# KiCad board FrontEnd_5G.kicad_pcb (continued)
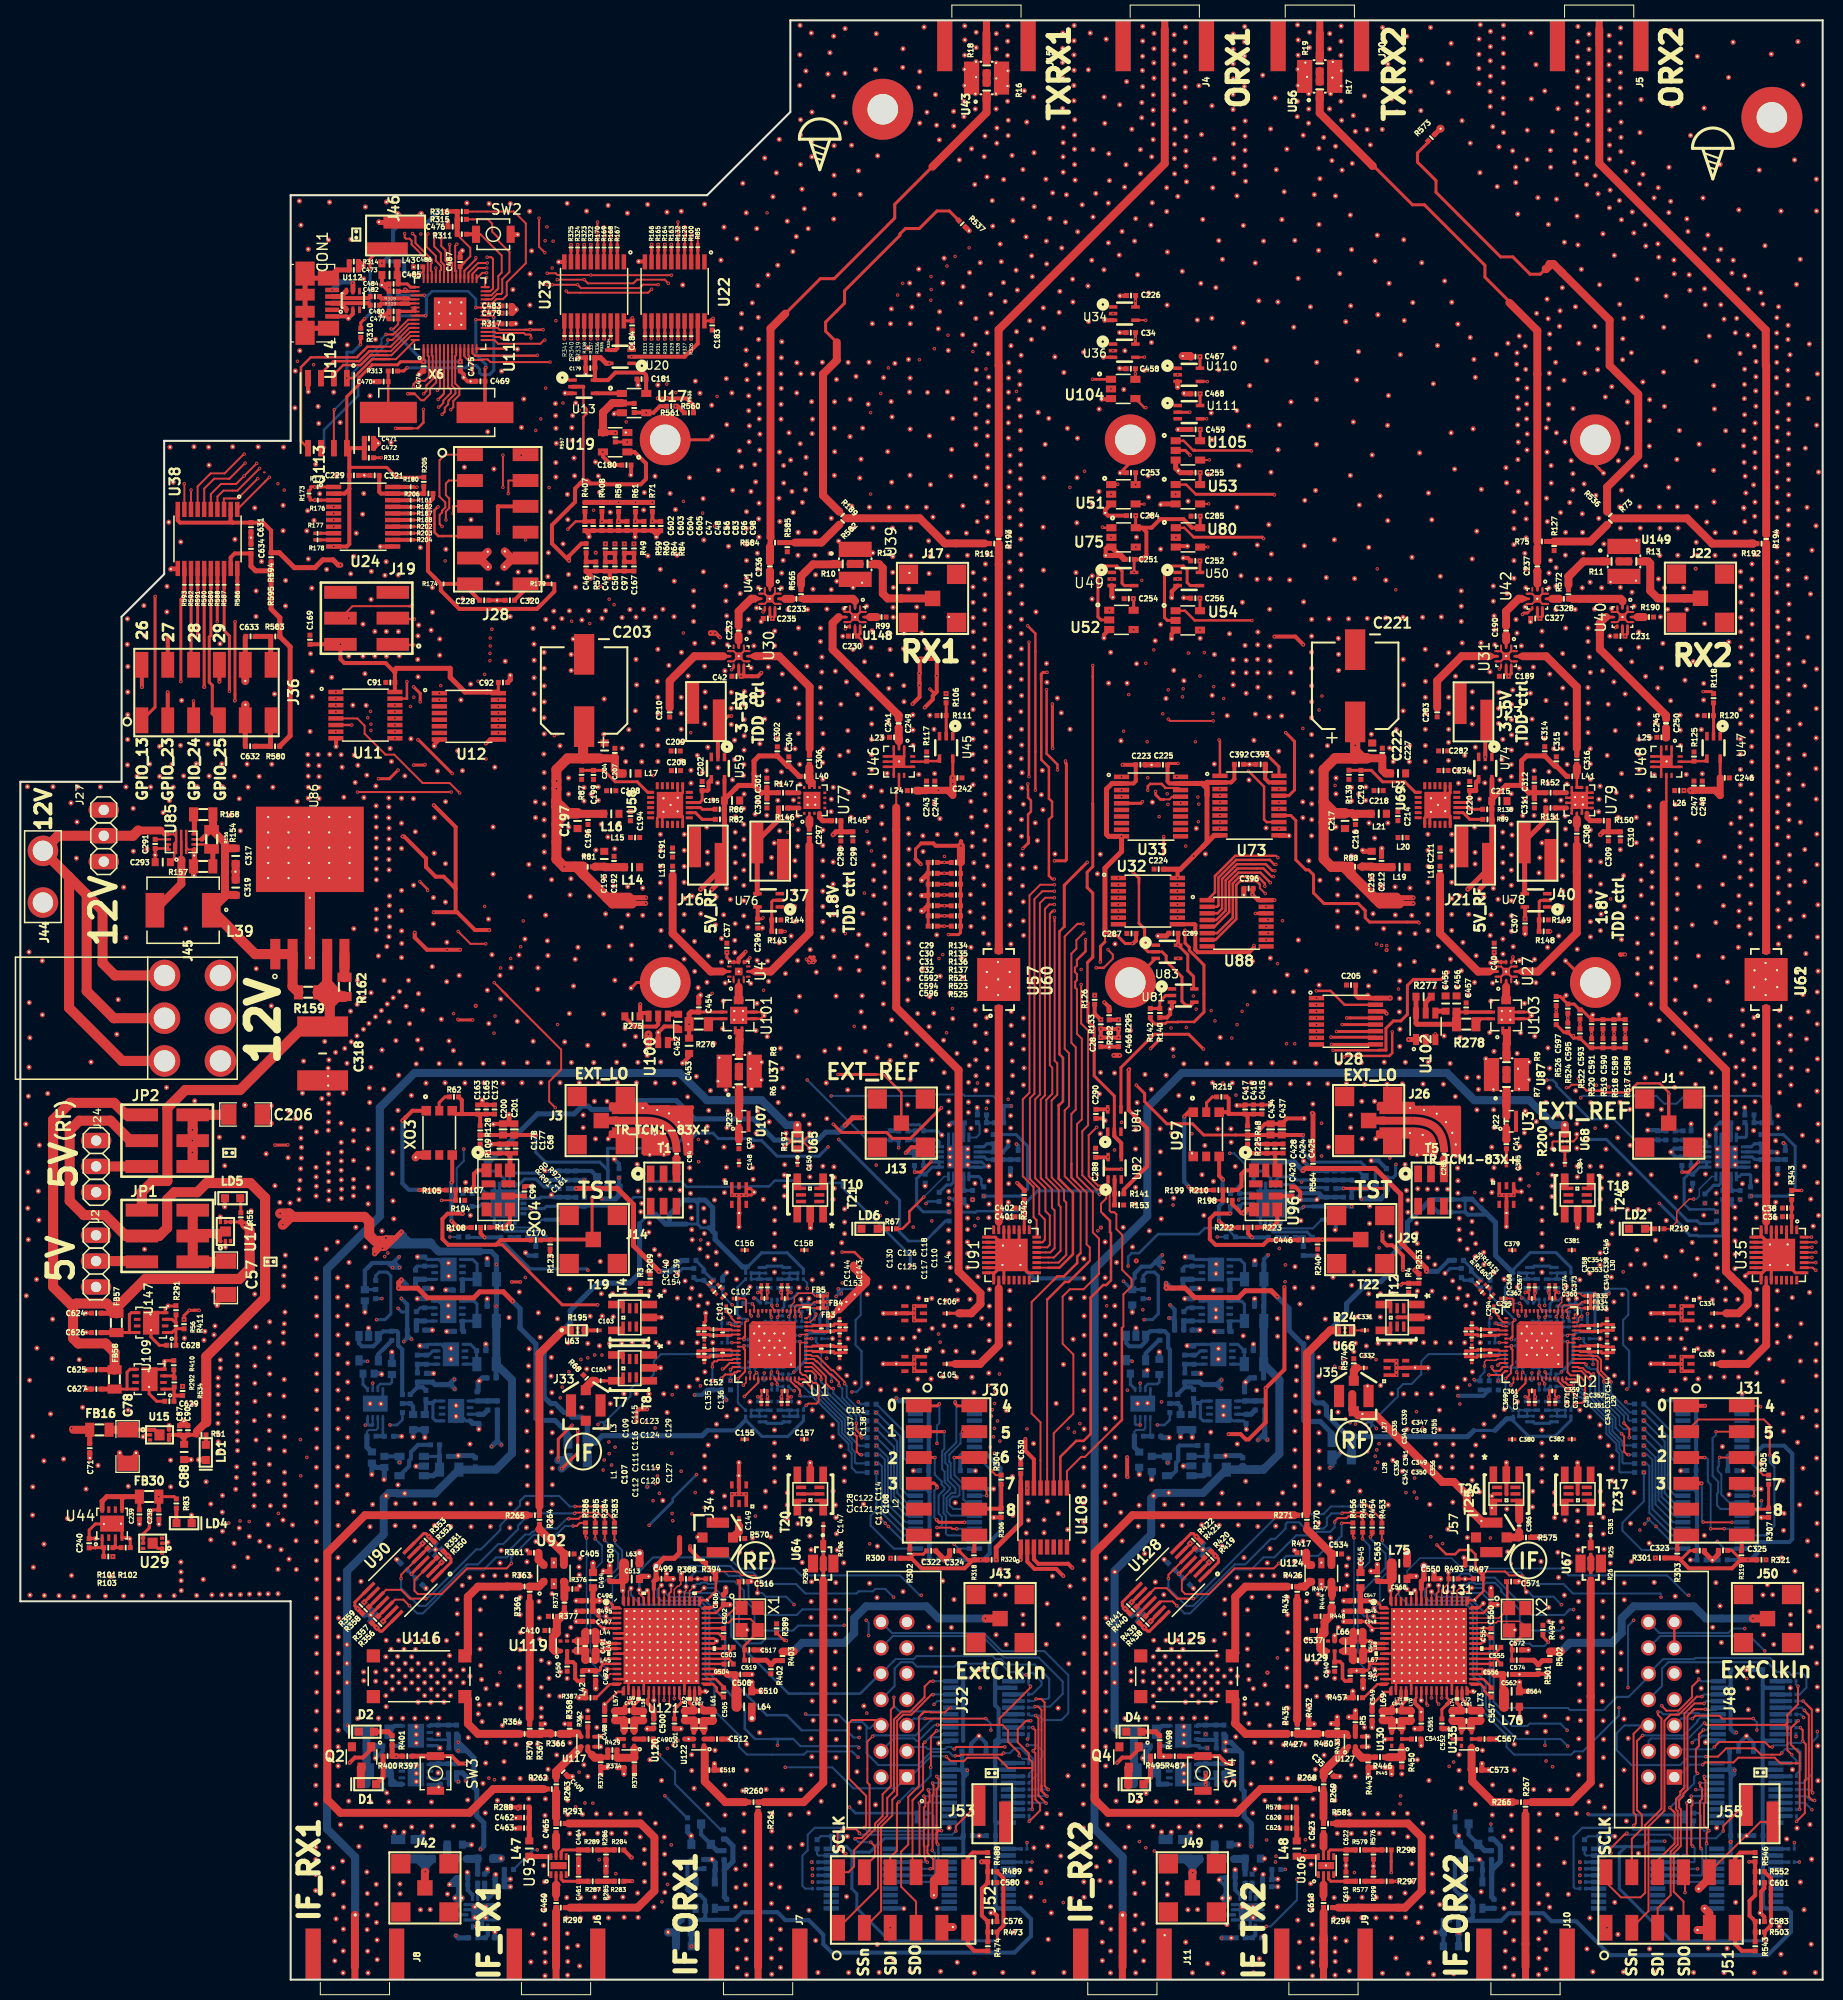
[diagram p0: board, top side]
## Routing (per net, layer and track width the routed paths; a pad name or vN(x,y) marks a point on that pad's centre or on a via; arc(x,y) is an arc through that point) (continued)
  F.RO w1: 28.37,111.27 U86.3 U86.3
  F.FR4 w0.2: 101.83,56.64 102.42,56.04 104.57,56.04
  F.FR4 w0.4: v2(116.67,22.77) 116.52,22.92 v2(116.52,24.13) ; v2(116.52,20.32) v2(116.52,19.17)
  B2.RO w0.2: 69.01,69.07 69.43,69.49 ; 78.77,63 79.83,63 79.83,63 ; 169.22,48.22 U71.11 ; 123.02,9.84 C566.1 ; 73.86,57.95 C27.2 73.87,58.46 73.87,58.55 ; 74.4,66.8 C23.2 74.41,66.28 74.39,66.26 ; 149.31,58.56 v2(149.31,58.56) 149.31,58.56 C281.2 ; 73.87,58.53 73.88,58.54 ; 73.87,58.53 73.88,58.54 ; 73.87,58.53 73.87,58.55 ; 73.87,58.53 73.88,58.54 ; 73.87,58.55 v2(73.87,58.54) ; v2(149.85,66.27) 149.86,66.28 C277.2 ; C281.2 149.31,57.98 ; C281.2 149.29,57.99 ; 154.22,63.01 155.29,63.01 ; 77.84,55.97 77.84,56.22
  B2.RO w0.25: 76.81,66.19 76.81,66.77 76.72,66.86 ; 152.18,66.87 152.27,66.78 C265.2 ; 152.98,66.96 152.87,66.85 C95.2 ; U144.PAD 111.08,57.37 U144.4 ; U141.9 117.77,61.61 116.94,62.45 U141.4 ; U142.9 117.53,69.96 116.71,70.78 U142.4 ; U140.9 117.51,65.92 116.75,66.69 U140.4 ; U143.9 118.27,55.87 119.22,54.93 U143.4 ; 77.52,66.94 77.42,66.84 C2.2 ; C265.2 152.47,66.41 C95.2 ; C265.2 C262.2 C258.2 ; U10.PAD 35.64,57.37 U10.4 ; R496.2 121.91,11.89 122.3,11.89 ; 125.82,76.65 125.86,76.69 125.86,77.3 ; v2(120.22,75.34) 120.27,75.29 U99.1 ; C10.2 C5.2 C3.2 C14.2 C13.2 C18.2 C20.2 ; C95.2 C93.2 ; C1.2 C2.2 ; C2.2 77.02,66.4 C11.2 C8.2 C4.2 ; C280.2 C278.2 ; U18.10 95.1,79.86 95.19,79.95 94.93,79.95 94.52,80.36 U18.9 ; C279.2 C276.2 C273.2 C270.2 ; C17.2 C15.2 ; C26.2 C24.2 ; C269.2 C271.2 ; C25.2 C22.2 C19.2 C16.2 ; C263.2 C261.2 ; C264.2 C259.2 C257.2 C267.2 C268.2 C272.2 C274.2 ; C9.2 C7.2
  B2.RO w0.3: 66.2,69.9 65.08,69.9 64.6,69.42 ; 140.06,69.43 140.54,69.91 C305.2 ; 132.14,78.92 131.57,79.49 C442.2 C441.2 C439.2 ; C582.1 118.42,8.25 118.52,8.35 ; 118.42,7.57 118.86,8.01 ; 120.13,6.1 119.9,5.87 IC2.13 ; 121.18,6.1 121.41,5.87 IC2.8 ; 121.18,6.1 121.45,6.37 IC2.7 ; 121.18,6.1 120.9,5.82 IC2.10 ; U142.4 115.43,70.78 R259.2 ; R242.2 115.51,62.45 U141.4 ; R567.2 120.24,54.93 U143.4 ; R442.2 109.88,35.86 ; 109.88,35.86 109.88,35.27 C538.1 ; 109.88,35.86 109.88,35.86 R437.2 ; 109.88,35.86 109.83,35.82 C539.1 ; 114.37,23.27 114.65,23 U26.4 115.92,22.77 v2(116.67,22.77) ; 114.37,19.47 114.65,19.2 U89.4 ; 40.8,42.27 40.8,41.69 R349.2 ; 40.8,42.27 40.83,42.3 C399.1 ; 40.8,42.27 40.82,42.29 C400.1 ; 40.8,42.27 40.78,42.25 R354.2 ; U134.11 91.31,23.33 90.25,23.33 ; 44.67,6.1 44.44,5.87 IC1.13 ; IC1.10 45.45,6.37 IC1.7 ; IC1.10 45.45,6.87 IC1.6 ; IC1.10 45.95,7.37 IC1.5 ; IC1.10 44.95,6.87 IC1.15 ; 44.68,7.15 44.46,7.37 IC1.16 ; 42.98,7.58 43.42,8.02 ; 43.08,8.36 42.98,8.26 C524.1 ; R70.1 87.89,81.68 C73.1 ; R44.2 41.01,23 U94.4 ; U6.4 41.09,66.69 U6.9 ; U5.9 41.11,70.79 U5.4 39.99,70.79 R34.2 ; U7.9 41.35,62.45 U7.4 40.07,62.45 R32.2 ; 39.29,62.29 39.27,62.31 ; U8.9 43.81,54.92 U8.4 ; C142.2 75.62,54.83 C132.2 74.87,54.68 73.41,54.68 C141.2 C131.2 ; C363.2 148.11,70 148.7,70 148.84,70.14 150.31,70.14 150.45,70 151.05,70 ; 97.33,79.05 97.31,79.03 ; R227.1 172.76,79.7 172.76,79.14 ; U18.21 92.75,80.36 U18.9 ; U18.21 93.25,79.86 U18.10 ; U18.21 92.24,80.87 U18.3 ; U98.21 168.69,79.86 U98.10 ; U98.21 168.19,80.36 U98.9 ; U98.21 167.68,80.87 U98.3 ; 90.58,83.01 90.16,83.43 C72.2 88.79,83.6 88.37,84.02 86.82,84.02 86.34,83.54 R65.2 ; C272.2 149.27,63.82 149.58,63.51 ; C423.2 164.39,77.77 164.18,77.56 ; U21.21 47.11,75.79 U21.2 ; U21.21 46.61,75.29 ; U21.21 46.61,75.29 ; U21.21 48.11,76.79 U21.12 51.06,76.79 51.18,76.91 C166.1 ; U21.21 48.61,77.29 U21.11 ; U21.21 47.11,76.79 U21.7 ; U21.21 46.61,77.29 U21.6 ; 46.61,75.29 U21.1 ; 46.61,75.29 U21.20 ; U99.21 122.41,75.79 U99.2 ; U99.21 121.91,75.29 ; U99.21 121.91,75.29 ; U99.21 123.41,76.79 U99.12 ; U99.21 123.91,77.29 U99.11 ; U99.21 122.41,76.79 U99.7 ; U99.21 121.91,77.29 U99.6 ; 121.91,75.29 U99.20 ; 121.91,75.29 U99.1 ; 125.86,77.3 125.36,76.79 U99.12 ; 125.82,76.65 125.68,76.79 U99.12 ; 88.94,78.01 88.95,78.02 C74.1 ; 41.12,18.91 41.11,18.9 40.55,18.9 U95.4 41.26,19.2 ; IC1.8 45.96,5.87 45.73,6.1 45.45,5.82 IC1.10 ; U18.1 91.24,81.85 91.45,81.64 91.74,81.93 U18.2 ; IC2.5 121.41,7.37 121.18,7.14 121.45,6.87 IC2.6 ; C146.2 C134.2 74.87,70.13 73.39,70.13 C145.2 C133.2 ; IC2.16 119.9,7.37 120.13,7.14 119.86,6.87 IC2.15 ; C364.2 C376.2 148.87,54.68 150.31,54.68 C365.2 C377.2 ; C431.2 167.01,84.21 166.68,83.88 166.68,82.79 U98.1 166.68,81.85 166.89,81.64 167.18,81.93 U98.2
  B2.RO w0.4: 69.01,68.74 69.01,69.07 69.43,69.49 ; 144.89,69.5 144.47,69.08 R172.2 ; C443.2 128.08,76.91 127.69,77.3 125.86,77.3 ; C443.2 C444.2 C445.2 ; C443.2 127.68,76.91 127.42,76.65 125.82,76.65 ; C530.1 139.83,4.71 139.83,5.88 C533.1 139.89,5.29 C530.1 ; C530.1 139.1,4.65 ; C530.1 C528.1 ; R431.2 143.42,11.8 143.72,11.5 U126.5 ; 112.18,14.52 112.18,14.17 R458.2 113.14,14.33 113.14,14.5 ; 115.06,14.48 115.06,14.32 R472.2 ; 123.61,9.14 C570.1 ; 123.61,9.88 123.06,9.88 ; Q3.2 141.39,13.33 141.39,14.13 141.03,14.49 R451.2 ; C390.2 166.86,41.23 166.33,41.23 166.3,41.26 C330.2 ; 169.23,56.91 169.25,56.93 169.25,57.63 ; U89.4 116.65,19.2 116.67,19.17 v2(116.52,19.17) ; 160.94,7 162.27,7 162.3,6.98 ; 156.71,14.11 156.74,14.09 156.72,14.09 C600.2 ; 165.53,7.02 165.56,7 166.75,7 U138.11 ; C586.2 170.4,14.15 169.03,14.15 C599.2 ; C587.2 169.03,30.47 C584.2 ; 120.52,54.09 120.49,54.12 R567.2 ; C608.2 114.11,53.99 ; 115.2,53.97 C611.2 ; U71.11 169.24,48.22 171.12,48.22 ; 163.22,50.02 163.24,50.04 C387.2 ; C391.2 168.75,50.02 169.33,50.02 ; C585.2 170.38,23.25 169.68,23.95 168.9,23.17 C598.2 168.92,22.47 ; C188.2 110.97,18.93 110.65,18.61 110.37,18.89 C186.2 ; C527.1 112.82,40.92 112.44,41.3 ; 116.23,42.27 116.23,42.86 C532.1 ; 116.23,42.27 116.21,42.25 ; 116.23,42.27 116.25,42.29 C531.1 ; 116.21,42.25 R423.2 ; 116.21,42.25 R418.2 ; v2(116.52,24.13) C395.2 ; 34.44,35.85 34.4,35.81 C403.1 ; 34.44,35.85 34.44,35.85 R360.2 ; 34.44,35.85 34.41,35.82 C404.1 ; 34.44,35.85 35.01,35.85 R355.2 ; C526.2 93.6,14.14 94.95,14.14 C525.2 ; C388.2 91.42,41.23 90.89,41.23 90.86,41.26 C326.2 ; 93.89,50.01 93.87,50.03 C389.2 ; 87.78,50.02 87.8,50.04 C329.2 ; U25.11 93.81,48.23 95.67,48.23 ; 39.07,13.77 39.62,14.32 39.62,14.48 ; 37.7,14.5 37.7,14.33 R390.2 36.74,14.17 36.74,14.52 ; 41.26,19.2 R28.2 41.09,19.17 ; 39.65,50.49 39.66,50.48 ; 37.48,53.4 37.47,53.41 R41.2 ; 86.85,6.98 86.82,7 U133.10 ; 90.11,6.99 90.12,7 U123.11 ; C578.2 81.27,14.1 81.29,14.08 ; U132.11 91.33,14.94 91.31,14.92 ; U137.11 166.78,14.95 166.75,14.92 ; C43.2 34.9,22.94 34.9,21.77 34.93,21.77 35.63,22.47 C45.2 ; R217.2 161.76,83.44 C418.2 160.9,83.5 ; R65.2 86.32,83.44 C69.2 ; 94.06,85.73 94.08,85.71 R79.2 ; 169.5,85.73 169.52,85.71 R232.2 ; 172.71,81.28 172.64,81.35 C426.1 ; 35.51,163.54 35.46,163.59 35.51,163.54 ; 35.51,163.54 36.25,163.54 ; 35.51,163.54 36.25,163.54 ; 36.25,163.54 36.25,166.31 ; C581.2 94.24,30.45 94.26,30.47 C579.2 ; C160.2 56.14,79.49 C174.1 54.57,79.48 C175.2 53.75,79.49 C176.2 51.62,79.49 51.59,79.52 ; v2(120.22,75.34) 120.22,75.34 ; 98.31,70.25 99.63,68.93 104.54,68.93 ; v2(87.04,81.26) 87.89,81.26 87.89,81.25 ; R221.1 162.59,81.69 162.25,81.35 162.74,80.86 C422.2 ; 164.24,84.12 164.24,83.44 C421.2 ; 160.9,83.5 160.02,83.5 ; 160.9,83.5 159.97,83.5 ; 126.14,80.45 127.1,79.49 C439.2 ; C432.2 133.5,80.5 133.52,80.5 ; R234.2 129.31,73.75 129.25,73.69 ; C159.1 58.85,80.18 58.38,80.65 ; R113.2 49.94,71.17 49.66,71.45 ; 35.56,19.19 C412.2 35.53,18.85 36.02,18.36 ; 168.2,76.2 168.31,76.09 ; 168.2,76.2 168.46,75.94 168.54,75.94 ; 168.2,76.2 C429.2 ; C76.2 92.75,76.35 93.11,75.99 ; C75.2 97.11,81.91 97.11,82.39 ; 91.51,84.21 91.3,84 91.51,84.21 ; 91.51,84.21 C80.2 ; 133.52,80.5 133.52,80.49 133.51,80.5 132.79,80.5 ; 133.52,80.5 132.98,80.5 ; C529.1 115.31,38.46 ; C577.2 93.46,23.18 94.23,23.95 94.93,23.25 C575.2 ; C164.2 C168.2 53.79,76.91 C166.1 52.42,76.91 52.2,77.13 ; R459.1 123.02,9.84 ; R233.2 127.52,71.17 ; 35.75,49.15 35.78,49.18 ; 110.37,22.71 C185.2 C187.2 111.07,22.69 110.73,22.35 110.37,22.71 ; 118.05,10.02 C565.2 C569.2 118.35,9.32 117.85,9.82 118.05,10.02 ; 122.16,4.24 R500.1 122.19,4.24 122.16,4.24
  B2.RO w0.5: 118.42,7.57 118.86,8.01 ; 118.86,8.01 118.6,7.75 118.42,7.75 ; 118.86,8.01 118.52,8.35 ; 118.42,7.75 C582.1 ; 118.42,7.75 118.16,8.01 118.52,8.37 ; 118.52,8.35 118.42,8.25 ; 118.52,8.35 C569.2 ; C615.2 120.34,58.62 120.87,59.15 C447.2 ; C451.2 121.21,61.84 121.21,62.46 ; C535.2 115.37,59.58 116.05,59.58 ; R242.2 115.33,62.31 114.69,62.31 ; C612.2 118.4,51.43 118.48,51.51 119.95,51.51 C609.2 ; C610.1 109.99,49.66 110,49.65 ; C614.2 111.22,49.17 111.2,49.15 ; 109.31,65.6 109.3,65.61 C617.2 ; C448.2 121.33,66.2 121.33,66.93 ; 121.33,70.31 C449.2 121.35,70.31 121.35,70.67 ; C606.2 115.2,63.85 115.95,63.85 ; 112.13,53.4 R558.2 112.13,53.4 ; 112.13,53.4 112.26,53.27 112.92,53.27 ; R246.2 115.18,66.93 114.46,66.93 ; R431.2 142.64,12.14 141.47,13.31 Q3.2 ; R492.2 118.93,13.26 119.79,13.26 ; 110.73,22.35 110.72,22.34 110.72,22.21 ; 110.72,22.21 110.34,21.83 110.34,21.77 ; 110.72,22.21 110.72,21.56 ; 110.72,21.56 110.51,21.77 110.34,21.77 ; 110.72,21.56 110.55,21.56 110.34,21.77 ; 110.66,18.33 110.64,18.35 110.64,18.62 ; 39.88,38.46 39.86,38.46 C397.1 ; 37,41.3 37.01,41.3 C398.1 ; Q1.2 65.95,13.32 65.95,14.14 65.59,14.5 R381.2 ; U136.11 165.81,23.48 165.66,23.33 ; 43.08,9.33 43.08,8.36 ; 43.08,8.36 42.98,8.26 ; 43.08,8.36 43.42,8.02 ; 42.98,7.76 42.72,8.02 43.08,8.38 ; 42.98,7.76 C524.1 ; 42.98,7.76 43.16,7.76 43.42,8.02 ; 43.42,8.02 42.98,7.58 ; C521.1 47.58,9.84 R391.1 ; C521.1 48.13,9.83 48.18,9.88 ; C521.1 C523.1 48.17,9.14 48.18,9.13 ; 45.92,10.87 45.92,10.66 C515.1 ; C408.1 64.45,5.29 C407.1 ; U118.5 68.27,10.73 C411.1 68.31,11.49 67.98,11.82 67.97,11.81 R375.2 ; 41.91,63.71 41.92,63.72 C55.2 ; C54.2 42.53,67.79 41.82,67.79 ; C52.2 45.89,66.2 45.89,66.92 ; 45.89,70.89 45.9,70.88 C51.2 ; 45.75,62.47 45.76,62.46 C58.2 ; 45.07,54.1 45.07,54.65 R30.2 44.46,54.67 U8.4 ; 39.04,71.05 39.06,71.03 R34.2 ; C62.2 39.74,67.95 40.47,67.95 ; 39.02,66.93 39.03,66.94 R36.2 ; 40.62,59.58 40.61,59.59 C61.2 ; R399.1 46.66,4.18 46.66,4.71 ; C63.2 44.51,51.51 43.05,51.51 42.97,51.43 C65.2 ; C53.2 45.42,59.15 44.99,58.72 44.99,57.87 C60.2 ; 33.87,65.6 33.87,66.71 C86.2 ; R395.2 43.48,13.26 44.35,13.26 ; C81.2 35.45,59.57 35.52,59.5 ; U16.2 39.65,50.46 38.89,50.46 ; 35.78,49.18 C66.2 34.98,50.34 C59.1 34.55,49.65 ; 114.32,50.48 114.33,50.49 U145.2 ; 34.94,19.22 C44.2 C412.2 35.53,19.21 ; 117.99,63.71 117.36,63.71 ; 114.05,53.33 C608.2 ; 39.76,53.29 C77.2 C33.2 38.61,53.34 ; C82.1 36.52,61.69 ; C607.2 115.91,67.94 ; 109.67,64.05 U146.2 ; 34.23,63.29 34.23,64.05 ; C188.2 C186.2 ; 117.27,67.77 C489.2 ; C45.2 C43.2 ; C64.2 40.5,63.84 ; 114.5,71.03 R259.2 ; 115.2,53.3 C611.2 ; 111.96,61.69 C616.1 ; R74.1 97.33,79.05 ; R32.2 39.29,62.29 ; 43.05,9.35 C522.2 C520.2 42.86,10.02 42.19,9.35 43.05,9.35
  B2.RO w0.7: C611.2 C608.2
  B2.RO w0.79: 47.12,11.91 46.47,11.91 R396.2 46.53,11.9 46.54,11.91 47.26,11.91 ; 63.67,4.66 63.69,4.64 C407.1 C406.1
  vias: v2(69.97,77.11) v2(69.97,47.72) v2(70.4,77.12) v2(70.4,47.73) v2(70.89,77.11) v2(70.89,47.72) v2(71.32,77.12) v2(71.32,47.73) v2(74.4,66.27) v2(87.86,66.18) v2(87.86,65.74) v2(87.86,65.26) v2(87.86,64.82) v2(87.87,61.2) v2(87.87,60.76) v2(87.87,60.28) v2(87.87,59.84) v2(135.27,60.81) v2(135.27,60.37) v2(135.27,59.89) v2(135.27,59.45) v2(145.41,77.11) v2(145.84,77.12) v2(146.33,77.11) v2(146.76,77.12) v2(163.3,66.18) v2(163.3,65.74) v2(163.3,65.26) v2(163.3,64.82) v2(163.31,61.2) v2(163.31,60.76) v2(163.31,60.28) v2(163.31,59.84)
VBUS_USB: length 135.8
  F.RO w0.3: v2(32.66,166.76) 32.69,166.73
  F.RO w0.5: 32.69,166.73 U112.5 ; C71.1 6.82,52.69 FB16.1 ; v1(5.04,54.2) 5.19,54.05
  F.RO w0.79: 5.19,54.05 FB16.1
  B.FR4 w0.5: 23.87,116.39 26.49,116.39 27.44,117.34 27.44,148.65 28.63,149.84 28.63,153.36 29.03,153.76 29.43,153.76 30.05,154.38 30.05,156.3 30.65,156.9 v2(30.65,166.08)
  B.FR4 w0.79: v1(5.04,54.2) 4.34,54.91 4.34,93.28 12.41,101.36 20.18,101.36 22.72,103.9 22.72,115.24 23.87,116.39
  B2.RO w0.5: 30.65,166.07 31.45,166.87 32.55,166.87 32.66,166.75
VDD_TXA_#1: length 9.5
  F.RO w0.15: U1.6 71.03,63.01 v2(71.13,62.91)
  F.RO w0.2: 71.23,63.21 71.23,64.59 v2(71.47,64.83)
  F.RO w0.25: 71.23,63.21 71.13,63.11 v2(71.13,62.91)
  B2.RO w0.15: 71.12,62.9 71.55,62.9
  B2.RO w0.2: 71.28,68.84 70.48,68.04 70.48,66.57 ; 70.69,65.18 70.91,64.96 71.26,64.96 71.39,64.83 v2(71.47,64.83) ; 70.69,65.18 70.48,65.39 70.48,66.57 ; 70.69,65.18 70.48,65.39 70.48,66.07 70.48,66.07 70.48,66.57
VDD_TXA_#2: length 7.8
  F.RO w0.15: v2(146.58,62.92) 146.49,63.01 U2.6
  F.RO w0.2: 146.68,63.2 146.68,64.61 v2(146.91,64.84)
  F.RO w0.25: 146.68,63.2 146.58,63.1 v2(146.58,62.92)
  B2.RO w0.15: v2(146.58,62.92) 146.59,62.91 147.01,62.91
  B2.RO w0.2: 146.74,68.86 145.93,68.05 145.93,65.86 146.68,65.11 146.68,65.07 v2(146.91,64.84)
VDD_TXB_#1: length 7.9
  F.RO w0.15: U1.8 71.03,62.21 v2(71.13,62.31)
  F.RO w0.2: 71.13,62.01 71.23,61.91 71.23,59.76 70.55,59.08 v2(70.55,59.07)
  F.RO w0.25: v2(71.13,62.31) 71.13,62.01
  B2.RO w0.15: 71.12,62.3 71.55,62.3
  B2.RO w0.2: 70.54,59.06 70.54,56.7 71.28,55.96
VDD_TXB_#2: length 7.9
  F.RO w0.15: v2(146.58,62.31) 146.48,62.21 U2.8
  F.RO w0.2: v2(146,59.08) 146.54,59.62 146.54,60.29 146.68,60.43 146.68,61.92 146.58,62.02
  F.RO w0.25: 146.58,62.02 v2(146.58,62.31)
  B2.RO w0.15: v2(146.58,62.31) 147.01,62.31
  B2.RO w0.2: v2(146,59.08) 146,56.71 146.74,55.97
VDD_TXC_#1: length 10.1
  F.RO w0.15: U1.36 76.73,62.61 v2(76.63,62.71)
  F.RO w0.2: 76.64,62.71 76.64,59.7 76.91,59.43 77.16,59.43 77.95,58.64 78.24,58.64 78.47,58.41 78.47,56.82 78.27,56.62 77.48,56.62 77.31,56.45 v2(77.25,56.45)
  B2.RO w0.15: 76.61,62.72 76.19,62.72
  B2.RO w0.2: v2(77.25,56.45) 76.98,56.18 R96.2
VDD_TXC_#2: length 10
  F.RO w0.15: v2(152.08,62.71) 152.18,62.61 U2.36
  F.RO w0.2: v2(152.08,62.71) 152.09,62.7 152.09,59.7 152.39,59.4 153.2,59.4 153.82,58.78 153.82,57 153.51,56.69 152.94,56.69 v2(152.75,56.5)
  B2.RO w0.15: v2(152.08,62.71) 152.06,62.73 151.65,62.73
  B2.RO w0.2: v2(152.75,56.5) 152.43,56.18 R185.2
VDD_TXD_#1: length 8.3
  F.RO w0.15: v2(76.63,63.31) 76.73,63.41 U1.38
  F.FR4 w0.15: 77.18,64.87 77.18,65.44 76.92,65.7 ; 77.18,64.57 77.18,64.58
  F.FR4 w0.2: 77.35,67.94 76.86,67.46 76.45,67.46 76.07,67.08 76.07,66.55 76.92,65.7 ; 76.61,63.32 76.61,64.01 77.18,64.58 ; 76.92,65.7 76.92,65.7 76.92,65.7 ; 77.18,64.57 77.18,64.87
  B2.RO w0.15: 76.61,63.32 76.19,63.32
  B2.RO w0.2: 77.35,67.94 77.35,68.47 76.97,68.85
  vias: v2(77.36,67.95)
VDD_TXD_#2: length 8.6
  F.RO w0.15: v2(152.08,63.31) 152.18,63.41 U2.38
  B.FR4 w0.15: 152.53,65.73 152.56,65.7 152.56,64.59
  B.FR4 w0.2: v2(152.08,63.31) 152.09,63.31
  B.FR4 w0.25: 152.09,63.31 152.55,63.77 152.55,64.59 152.56,64.59 ; 152.53,65.73 152.53,65.69 152.53,65.7 152.31,65.92 151.99,65.92 151.5,66.41 151.5,67.06 151.93,67.49 152.34,67.49 152.79,67.94 152.79,68.19 v2(152.79,68.18)
  B2.RO w0.15: v2(152.08,63.31) 152.06,63.33 151.65,63.33 ; v2(152.79,68.18) 152.8,68.18
  B2.RO w0.2: 152.8,68.18 152.8,68.49 R186.2
(no net): length 0.2
  F.RO w0.2: 23.95,148.15 24.01,148.15
  B.FR4 w0.3: 42.12,168.97 42.12,168.89 42.12,168.97
/Clocks/CLK_TST: length 117.7
  F.RO w0.3: v2(56.75,66.33) 53.27,66.33 47.37,72.23 46.75,72.23
  F.RO w0.4: v2(118.93,75.3) 117.45,75.3 116.93,74.78 116.93,72.79 117.5,72.22 122.18,72.22 122.66,72.7 125.67,72.7 ; v2(43.49,75.29) 42,75.29 41.49,74.78 41.49,72.8 42.06,72.23 46.75,72.23 47.22,72.7 C170.2
  F.FR4 w0.3: v2(118.93,75.3) 118.8,75.3 117.96,76.14 v2(113.31,76.14) ; v1(106.79,66.24) 102.99,66.24 102.35,66.88 94.61,66.88 93.63,65.9 90.89,65.9 90.33,66.46 90.33,67.16 89.7,67.79 88.05,67.79 87.52,67.26 84.37,67.26 83.15,68.48 v2(80.8,68.48) ; v2(68.71,65.71) 67.79,64.79 66.37,64.79 64.83,66.33 v2(56.75,66.33)
  B.FR4 w0.3: v2(56.75,66.33) 56.75,66.37 ; v2(80.8,68.48) 79.59,68.48 78.82,67.71 78.82,67.27 77.75,66.2 76.69,66.2 76.27,65.78 75.1,65.78 75.06,65.74 73.66,65.74 73.62,65.78 70.55,65.78 70.42,65.65 68.77,65.65 v2(68.71,65.71) ; v1(106.79,66.24) 107.36,66.81 107.36,67.3 106.96,67.7 106.96,68.37 107.36,68.77 107.36,69.23 107.07,69.52 107.07,71.32 107.33,71.58 107.33,74.17 108.67,75.51 112.72,75.51 113.31,76.1 v2(113.31,76.14)
  B2.RO w0.4: v2(118.93,75.3) 118.95,75.32 R237.2 ; 43.51,75.31 v2(43.49,75.29) 43.51,75.31 ; 43.51,75.31 43.51,75.7 ; 43.51,75.31 R119.2
/Clocks/EX5_#1: length 3.2
  F.RO w0.5: T1.3 64.51,79.21 C94.2
  F.RO w0.79: 64.51,80.7 64.5,80.7 T1.3
/Clocks/EX5_#2: length 3.2
  F.RO w0.5: 139.94,80.92 139.94,79.22 139.93,79.21
  F.RO w0.79: 139.94,80.63 139.93,80.63 139.93,79.21 T5.3
/Clocks/EXT_LO_CON_#1: length 10.9
  F.RO w0.25: 63.06,84.28 63.83,83.51 63.83,83.29 64.51,82.61 C94.1
  F.RO w0.3: J3.1 60.61,84.44 60.77,84.28 63.06,84.28
  F.RO w0.8: J3.1 58.57,84.44 58.58,84.43
/Clocks/EXT_LO_CON_#2: length 10.9
  F.RO w0.3: J26.1 136.05,84.44 136.21,84.28 138.5,84.28 138.73,84.05 138.73,83.82 139.95,82.6 C286.1
  F.RO w0.8: 134.02,84.43 134.01,84.44 J26.1
/Clocks/EXTLO_N_#1: length 2
  F.RO w0.2: U1.56 U1.56 71.33,66.81 71.2,66.95 C102.2
/Clocks/EXTLO_N_#2: length 1.8
  F.RO w0.2: C295.2 146.65,66.95 146.78,66.82 U2.56
/Clocks/EXTLO_P_#1: length 1.8
  F.RO w0.2: U1.2 70.31,64.61 69.9,65.02 69.9,65.17 C101.2
/Clocks/EXTLO_P_#2: length 1.8
  F.RO w0.2: C294.2 144.84,65.67 145.34,65.17 145.34,65.03 145.76,64.61 U2.2
/Clocks/HFPLL_CLK_#1: length 108.8
  F.RO w0.3: 134.12,77.77 v2(130.08,77.77) ; 59.54,76.92 59.64,76.81
  F.RO w0.5: 59.64,76.81 58.68,77.77 v2(54.64,77.77) ; v2(62.77,69.62) 62.77,69.65 60.27,72.15 60.27,76.18 59.54,76.92
  F.FR4 w0.3: 111.97,77.45 111.96,77.46 ; 111.97,77.45 113.8,77.45 114.53,76.72 115.61,76.72 116.3,77.41 117.47,77.41 117.71,77.17 121.47,77.17 121.58,77.28 129.27,77.28 129.3,77.25 129.56,77.25 v2(130.08,77.77) ; 111.97,77.45 111.6,77.08 109.4,77.08 108.68,76.36 100.42,76.36 99.61,75.55 ; 60.41,79.49 59.8,78.88 59.8,78.32 59.25,77.77 v2(54.64,77.77) ; 83.53,80.69 81.97,80.69 81.83,80.55 76.36,80.55 76.22,80.69 71.79,80.69 71.38,80.28 ; 86.33,73.97 86.33,73.96 86.33,73.97 ; 86.33,73.97 v2(87.77,73.97)
  F.FR4 w0.4: v2(94.14,74.83) 94.9,75.59 99.65,75.59 99.68,75.62 ; 60.41,79.49 64.36,79.49 64.66,79.19 70.29,79.19 71.38,80.28 ; 83.53,80.69 84.14,80.08 v2(84.14,80.06) ; 86.33,73.97 85.64,73.97 85.64,73.98 v2(84.52,75.1)
  B.FR4 w0.25: 90.29,73.96 89.77,73.96
  B.FR4 w0.3: 90.29,73.96 90.64,74.31 91.48,74.31 92.6,75.43 93.54,75.43 v2(94.14,74.83) ; v2(87.77,73.97) 87.78,73.96 89.77,73.96
  B.FR4 w0.4: v2(84.52,75.1) 84.52,79.68 v2(84.14,80.06)
  B2.RO w0.4: v2(130.08,77.77) 129.31,77.77 ; 54.63,77.76 v2(54.64,77.77)
  B2.RO w0.5: 65.51,70.68 64.94,70.68 63.88,69.62 v2(62.77,69.62) ; R122.1 54.63,77.76
/Clocks/HFPLL_CLK_#2: length 28.5
  F.RO w0.5: v2(126.08,79.52) 126.29,79.73 ; 126.29,79.73 133.17,79.73 135.69,77.21 135.69,72.44 138.23,69.9 v2(138.23,69.62) ; 126.29,79.73 126.3,79.74 R564.1
  B2.RO w0.3: 138.4,69.62 v2(138.23,69.62)
  B2.RO w0.4: 140.41,70.7 139.33,69.62
  B2.RO w0.5: 139.33,69.62 138.4,69.62 ; v2(126.08,79.52) 125.24,80.36 R555.1 ; C313.1 140.41,70.7
/Clocks/HFPLL_CLK_LMS8_#1: length 5.5
  F.RO w0.2: U1.53 72.53,65.24 v2(72.53,65.24)
  F.FR4 w0.2: 72.52,65.23 71.83,65.92 71.09,65.92 70.68,66.33 69.96,66.33
  B2.RO w0.2: 69.96,66.33 69.01,67.27 69.01,67.97
  vias: v2(69.97,66.34)
/Clocks/HFPLL_CLK_LMS8_#2: length 5.6
  F.RO w0.2: U2.53 v2(147.98,65.24)
  F.FR4 w0.2: v2(147.98,65.24) 147.28,65.94 146.67,65.94 146.27,66.34 v2(145.42,66.34)
  B2.RO w0.2: v2(145.42,66.34) 144.47,67.29 144.47,67.97
/Clocks/J14_SMA_vert: length 95.1
  F.RO w0.3: v2(56.2,76.88) 56.2,72.87 J14.1
  F.RO w0.4: 131.76,72.75 131.75,72.74 v2(127.99,72.74) 127.55,72.74 R240.1 126.57,72.71 C446.1 ; C170.1 51.13,72.71 R123.1 52.12,72.75 J14.1
  F.FR4 w0.3: 108.96,74.58 110.78,72.75 111.07,72.75 111.82,73.5 114.81,73.5 115.29,73.98 126.88,73.98 127.99,72.87 v2(127.99,72.74) ; 108.96,74.58 108.94,74.59 ; 108.96,74.58 108.72,74.81 105.59,74.81 104.96,74.18 98.18,74.18 ; 98.13,74.16 98.15,74.18 98.18,74.18 ; 98.18,74.18 98.08,74.18 97.74,73.84 95.36,73.84 93.46,71.94 90.83,71.94 89.61,73.16 84.99,73.16 81.57,76.58 80.78,76.58 80.16,75.96 75.47,75.96 75.14,76.29 74.85,76.29 73.11,78.03 71.87,78.03 71.76,77.92 65.53,77.92 64.94,78.51 61.71,78.51 61.37,78.17 61.04,78.17 ; 57.94,77.27 56.59,77.27 v2(56.2,76.88) ; 57.94,77.27 58.1,77.11 ; 57.94,77.27 58.1,77.11 ; 58.1,77.11 59.06,77.11 ; 58.1,77.11 59.06,77.11 ; 59.06,77.11 59.39,77.11 60.45,78.17 61.04,78.17 ; 61.04,78.17 61.18,78.17
/Clocks/REF_ADF: length 160.6
  F.FR4 w0.2: 141.72,87.38 142.24,86.86 150.53,86.86 150.72,86.67 v2(153.38,86.67) ; v2(79.71,86.86) 67.1,86.86 66.45,87.51 52.43,87.51 51.86,86.94 44.03,86.94 43.75,86.66 43.75,82.29 43.59,82.13 v2(43.59,81.64) ; v2(119.49,86.94) 127.3,86.94
  F.FR4 w0.25: 127.3,86.94 127.48,87.12 140.2,87.12 140.54,87.46 141.64,87.46 141.72,87.38
  F.FR4 w0.3: v2(119.49,86.94) 115.12,86.94 112.73,84.55 109.57,84.55 108.28,83.25 107.19,83.25 106.52,82.59 105.01,82.59 104.05,83.55 102.26,83.55 100.68,85.13
  F.FR4 w0.4: 100.68,85.13 98.14,85.13 v2(97.4,85.87)
  B.FR4 w0.2: v2(119.49,86.94) 118.34,85.79 118.34,81.77 v2(118.89,81.22)
  B2.RO w0.2: 172.1,84.21 172.1,84.79 C438.1 172.1,85.83 171.07,86.86 163.56,86.86 162.8,86.1 161.6,86.1 160.84,86.86 153.57,86.86 v2(153.38,86.67) ; 96.66,85.83 95.63,86.86 92.84,86.86 92.7,87 89.63,87 89.52,86.89 89.52,86.86 v2(79.71,86.86) ; v2(43.59,81.64) 43.59,80.46 42.9,79.77 42.9,77.88 43.49,77.29 R121.1 ; v2(118.89,81.22) 119.32,81.22 120.36,80.18 120.36,78.67 118.98,77.29 R238.1 118.93,77.29
  B2.RO w0.4: v2(97.4,85.87) 97.4,85.87 96.62,85.87 ; C89.1 96.66,85.83
/Clocks/SMA_IN1: length 198.6
  F.RO w0.2: 84.13,88.97 84.84,88.97 85.61,88.2 ; v2(162.05,87.06) 162.04,87.06 162.04,87.11 ; v2(151.99,87.68) 152.2,87.68 152.48,87.96 153.38,87.96 153.96,87.38 154.79,87.38
  F.RO w0.25: 85.61,88.2 86.6,87.21 J13.1 ; 154.79,87.38 155.3,87.38 155.48,87.2 158.05,87.2 158.94,88.09 161.16,88.09 162.04,87.21 162.04,87.11 ; v2(118.22,88.14) 118.22,87.98
  F.RO w0.3: 162.04,87.11 J1.1 162.04,87.05 v2(162.05,87.06) ; v2(80.38,88.97) 84.13,88.97
  F.RO w0.4: v2(173.32,82.22) 173.32,82.23
  F.FR4 w0.2: 41.69,73 41.39,73 40.39,74 40.39,85.38 42.28,87.27 42.28,88.73 42.52,88.97 64.85,88.97 65.52,89.64 68.86,89.64 69.7,90.48 71.78,90.48 72.62,89.64 73.96,89.64 74.63,88.97 77.85,88.97 ; 41.69,73 41.71,73 ; 41.69,73 v2(42.22,73) ; v2(151.99,87.68) 150.7,88.97 150.07,88.97 149.4,89.64 148.07,89.64 147.23,90.48 145.14,90.48 144.3,89.64 140.96,89.64 140.29,88.97 119.19,88.97
  F.FR4 w0.25: 111.63,82.62 114.8,82.62 ; v2(118.22,88.14) 118.22,88.13 118.22,88.47 118.72,88.97 119.19,88.97
  F.FR4 w0.3: 111.63,82.62 111.58,82.57 109.09,82.57 108.98,82.68 107.5,82.68 106.84,82.02 99.76,82.02 99.66,82.12 v2(97.92,82.12) ; 88.54,86.41 88.78,86.41 90.59,84.6 93.31,84.6 93.5,84.41 ; v2(80.38,88.97) 77.85,88.97
  F.FR4 w0.4: 93.5,84.41 94.88,84.41 96.22,83.07 97.92,83.07 v2(97.92,82.12) ; v2(80.38,88.97) 85.98,88.97 88.54,86.41 ; v2(162.05,87.06) 162.92,87.06 165.68,84.3 170.54,84.3 172.33,86.09 172.85,86.09 173.57,85.37 173.57,83.49 173.32,83.24 v2(173.32,82.22) ; 114.8,82.62 115.14,82.96 115.14,83.12 v2(115.17,83.15)
  B.FR4 w0.2: 115.82,85.58 117.99,87.75 ; 115.82,84.09 115.82,79.82 115.51,79.51 115.51,78.51 115.82,78.2 115.82,74.06 116.88,73 v2(117.66,73)
  B.FR4 w0.25: v2(118.22,88.14) 118.22,87.98 117.99,87.75
  B.FR4 w0.4: 115.82,85.58 115.82,84.09 115.17,83.44 v2(115.17,83.15)
  B2.RO w0.2: 42.21,73 v2(42.22,73) R80.2 ; R228.2 v2(117.66,73)
  B2.RO w0.4: v2(97.92,82.12) 98.09,81.95 C84.1 ; v2(173.32,82.22) 173.5,82.04 C435.1
/Clocks/V_CTRL: length 166
  F.RO w0.2: R104.2 v2(41.4,76.6)
  F.RO w0.25: v2(116.83,76.8) 117.03,76.6 R198.2
  F.RO w0.4: R198.2 R199.1 ; R104.2 R105.1
  F.FR4 w0.2: 41.9,86.42 40.69,85.21 40.69,77.31 v2(41.4,76.6) ; 41.9,86.42 41.91,86.43 ; 41.9,86.42 42.63,87.15 42.63,88.55 42.75,88.67 64.98,88.67 65.64,89.33 68.57,89.33 69.35,88.55 71.92,88.55 72.54,89.17 73.49,89.17 74.23,88.43 v2(77.35,88.43) ; v2(120.52,87.48) 121.55,87.48 121.94,87.87 121.94,88.19 122.42,88.67 140.41,88.67 141.08,89.34 144,89.34 144.79,88.55 147.35,88.55 147.97,89.17 148.7,89.17 149.45,88.42 v2(150.07,88.42)
  F.FR4 w0.3: v2(120.52,87.48) 120.48,87.52 113.43,87.52 111.14,85.23 108.78,85.23 107.81,86.2 104.56,86.2 104.23,86.53 v2(97.1,86.53)
  B.FR4 w0.2: v2(120.52,87.48) 118.82,87.48 116.84,85.5 116.84,83.24 117.26,82.82 117.26,81.17 116.83,80.74 116.84,80.74 116.84,78.98 116.62,78.76 116.62,77.97 116.84,77.75 116.84,76.8
  B.FR4 w0.25: v2(116.83,76.8) 116.84,76.8 ; v2(116.83,76.8) 116.84,76.8 ; v2(116.83,76.8) 116.84,76.8 ; v2(116.83,76.8) 116.83,77.35 116.84,77.36
  B.FR4 w0.3: v2(97.1,86.53) 96.77,86.86 94.71,86.86 94.35,86.5 93.96,86.5 93.45,87.01 88.96,87.01 87.83,85.88 87.83,83.2 86.4,81.77 v2(86.34,81.77)
  B2.RO w0.2: C418.1 158.68,82.54 156.65,84.58 ; v2(77.35,88.43) 83.24,82.54 C69.1
  B2.RO w0.25: v2(150.07,88.42) 150.65,88.42 151,88.07 151,87.86 154.28,84.58 156.65,84.58
  B2.RO w0.3: C418.1 160.97,82.53 R216.2 ; C69.1 85.53,82.53 R63.2 86.34,82.51 v2(86.34,81.77)
